# Altium PCB Copy of FPGA_Module.PcbDoc (part 1 of 3) (continued)
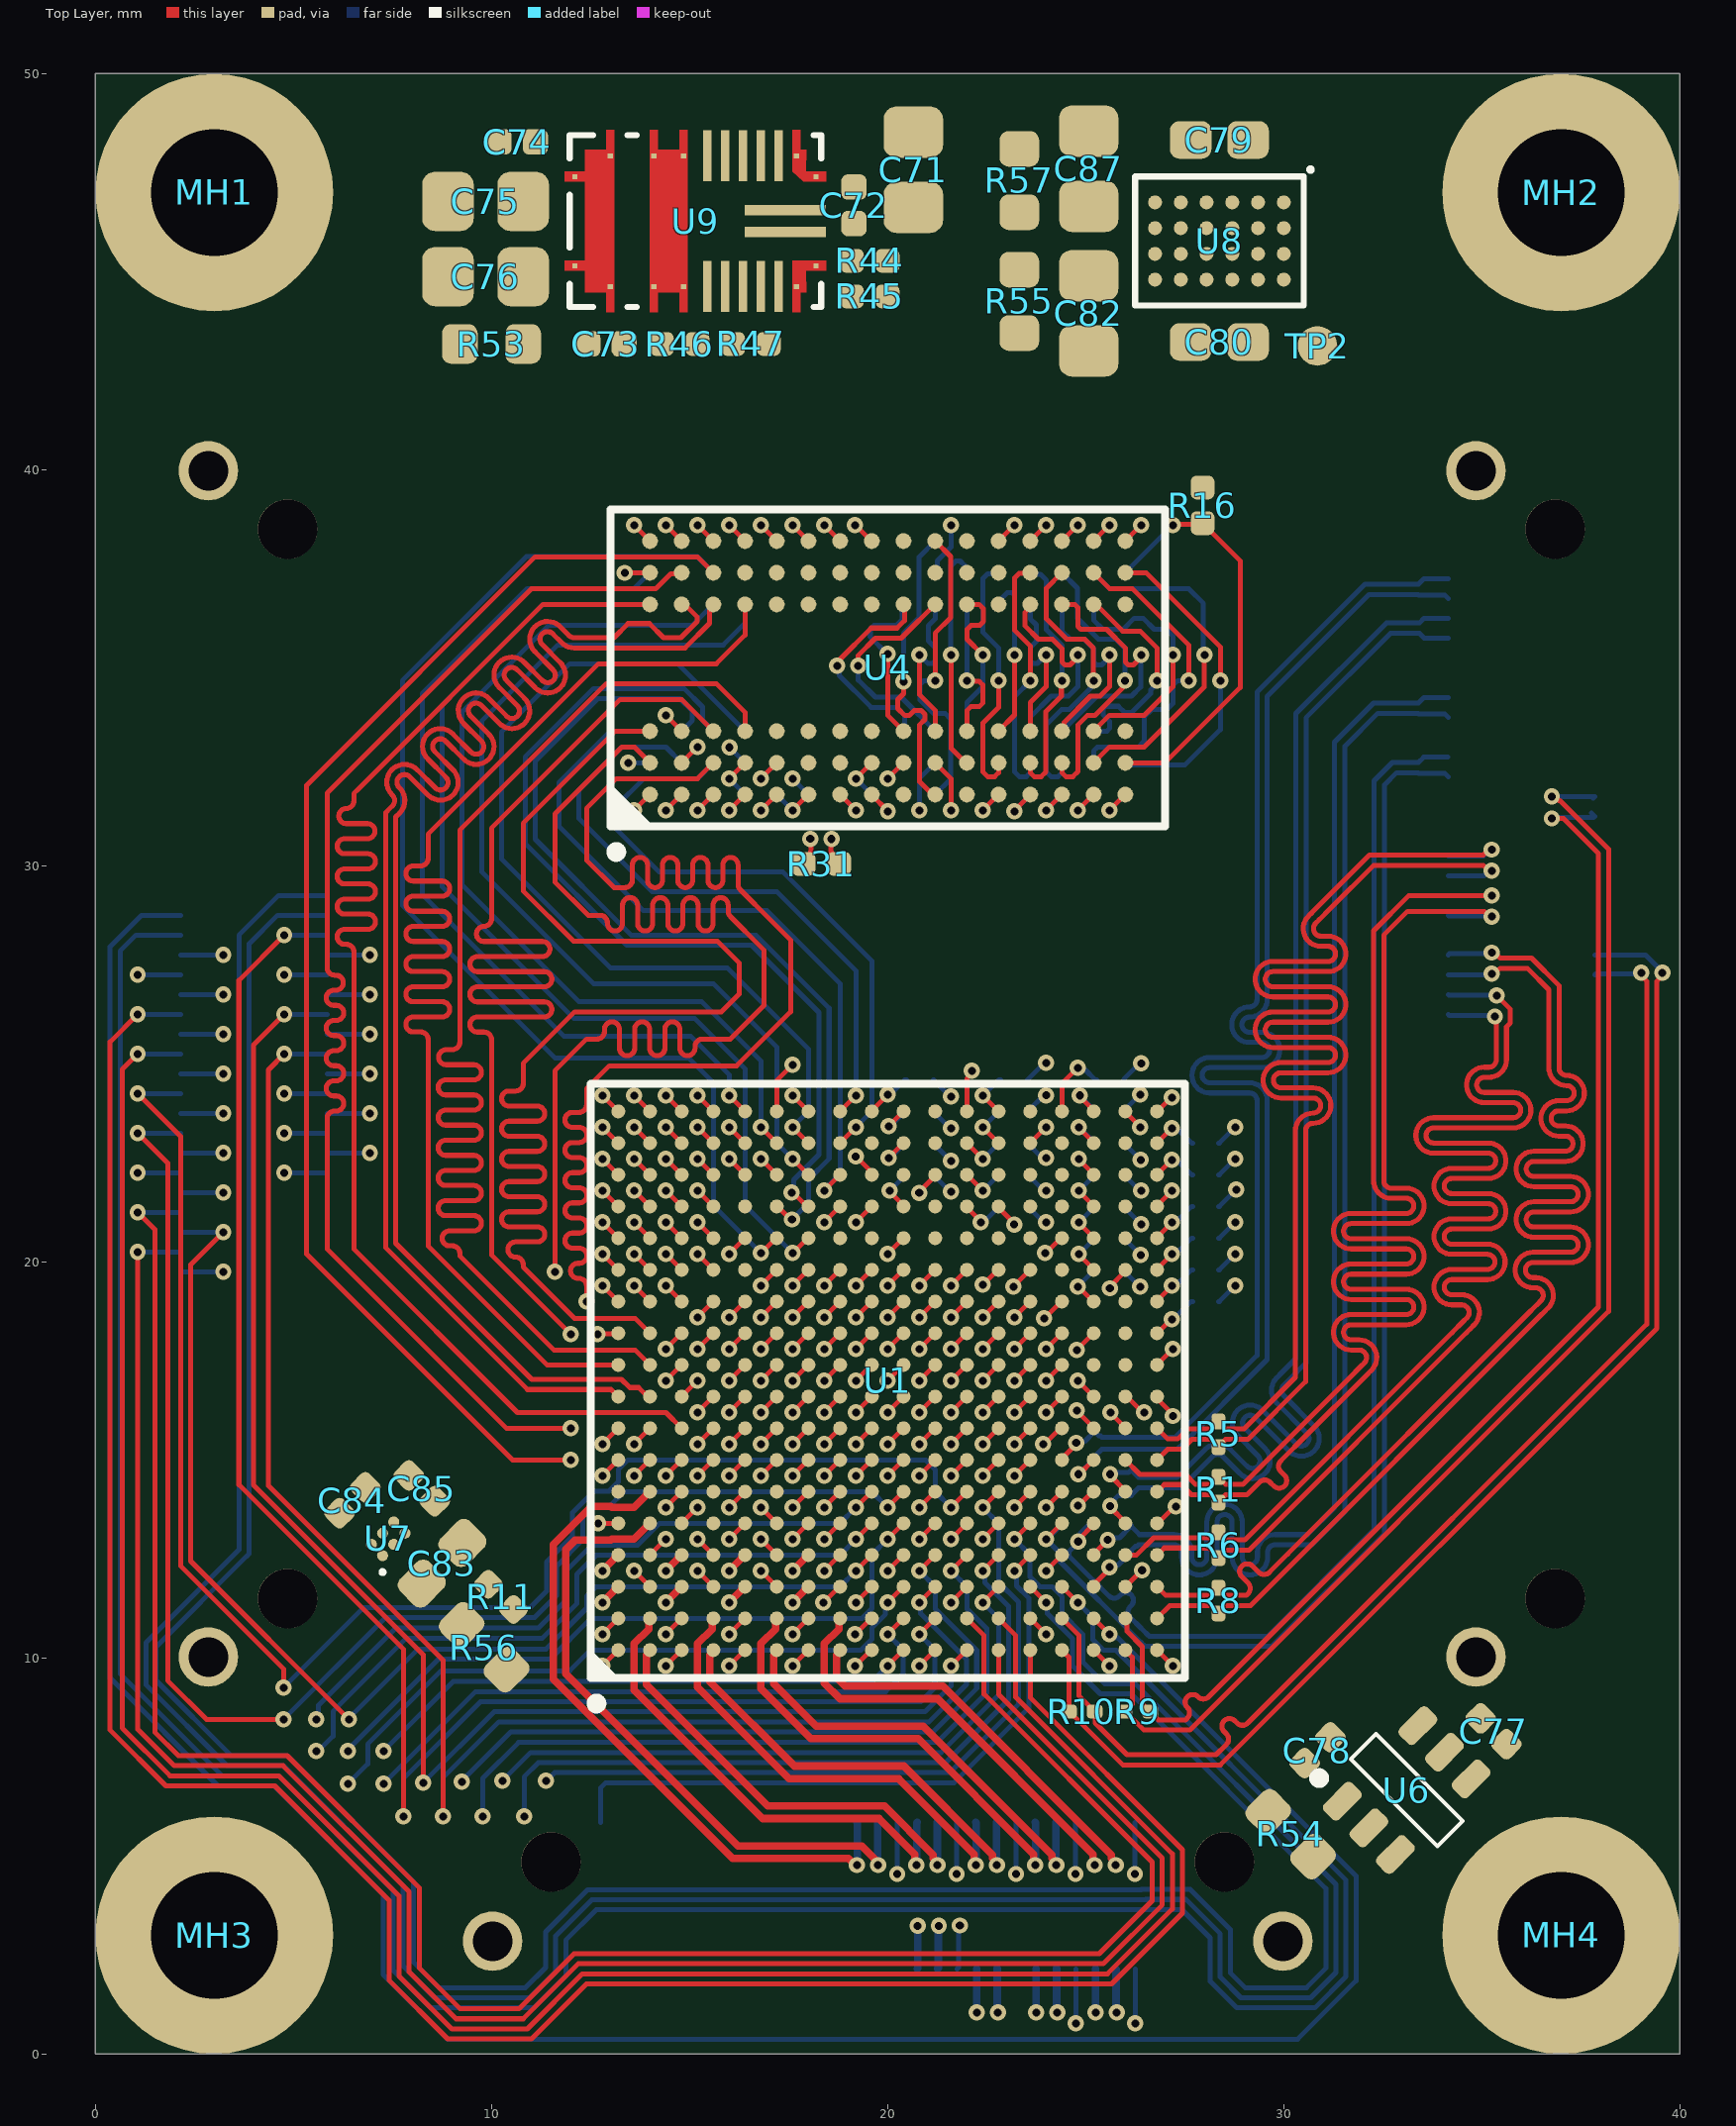
[diagram p0: Top Layer view]
## Components (designator, comment, footprint, x,y, rotation, side; value= is the part's Value field where it differs from the comment) (continued)
U8 "LTM4691IV" AD_LGA24 28.375,45.775 r270 top
U9 "MPM3650CGQW-Z" MPS_MPM3650 15.148,46.275 r270 top

## Footprints (in the part's own frame and the unit in brackets; to place one, negate y for a bottom-side part, rotate by r counter-clockwise, add the part's x,y. Pads: shape width x height; smd on the part's side, far side on the other; paste and mask are expansions set on the pad)
AD_LGA24 [mm]
  round 0.35 smd paste+0 mask+0: A1(-0.975,1.625) A2(-0.325,1.625) A3(0.325,1.625) A4(0.975,1.625) B1(-0.975,0.975) B2(-0.325,0.975) B3(0.325,0.975) B4(0.975,0.975) C1(-0.975,0.325) C2(-0.325,0.325) C3(0.325,0.325) C4(0.975,0.325) D1(-0.975,-0.325) D2(-0.325,-0.325) D3(0.325,-0.325) D4(0.975,-0.325) E1(-0.975,-0.975) E2(-0.325,-0.975) E3(0.325,-0.975) E4(0.975,-0.975) F1(-0.975,-1.625) F2(-0.325,-1.625) F3(0.325,-1.625) F4(0.975,-1.625)
  silkscreen extent -1.81,-2.13 1.63,2.31, body extent -1.51,-2.01 1.51,2.01, height 1.28
CSG325 [mm] "BGA, 324-Balls, Body 15x15mm, Pitch 0.8mm"
  round 0.35 smd: A1(-6.8,6.8) A2(-6,6.8) A3(-5.2,6.8) A4(-4.4,6.8) A5(-3.6,6.8) A6(-2.8,6.8) A7(-2,6.8) A8(-1.2,6.8) A9(-0.4,6.8) A10(0.4,6.8) A11(1.2,6.8) A12(2,6.8) A13(2.8,6.8) A14(3.6,6.8) A15(4.4,6.8) A16(5.2,6.8) A17(6,6.8) A18(6.8,6.8) B1(-6.8,6) B2(-6,6) B3(-5.2,6) B4(-4.4,6) B5(-3.6,6) B6(-2.8,6) B7(-2,6) B8(-1.2,6) B9(-0.4,6) B10(0.4,6) B11(1.2,6) B12(2,6) B13(2.8,6) B14(3.6,6) B15(4.4,6) B16(5.2,6) B17(6,6) B18(6.8,6) C1(-6.8,5.2) C2(-6,5.2) C3(-5.2,5.2) C4(-4.4,5.2) C5(-3.6,5.2) C6(-2.8,5.2) C7(-2,5.2) C8(-1.2,5.2) C9(-0.4,5.2) C10(0.4,5.2) C11(1.2,5.2) C12(2,5.2) C13(2.8,5.2) C14(3.6,5.2) C15(4.4,5.2) C16(5.2,5.2) C17(6,5.2) C18(6.8,5.2) D1(-6.8,4.4) D2(-6,4.4) D3(-5.2,4.4) D4(-4.4,4.4) D5(-3.6,4.4) D6(-2.8,4.4) D7(-2,4.4) D8(-1.2,4.4) D9(-0.4,4.4) D10(0.4,4.4) D11(1.2,4.4) D12(2,4.4) D13(2.8,4.4) D14(3.6,4.4) D15(4.4,4.4) D16(5.2,4.4) D17(6,4.4) D18(6.8,4.4) E1(-6.8,3.6) E2(-6,3.6) E3(-5.2,3.6) E4(-4.4,3.6) E5(-3.6,3.6) E6(-2.8,3.6) E7(-2,3.6) E8(-1.2,3.6) E9(-0.4,3.6) E10(0.4,3.6) E11(1.2,3.6) E12(2,3.6) E13(2.8,3.6) E14(3.6,3.6) E15(4.4,3.6) E16(5.2,3.6) E17(6,3.6) E18(6.8,3.6) F1(-6.8,2.8) F2(-6,2.8) F3(-5.2,2.8) F4(-4.4,2.8) F5(-3.6,2.8) F6(-2.8,2.8) F7(-2,2.8) F8(-1.2,2.8) F9(-0.4,2.8) F10(0.4,2.8) F11(1.2,2.8) F12(2,2.8) F13(2.8,2.8) F14(3.6,2.8) F15(4.4,2.8) F16(5.2,2.8) F17(6,2.8) F18(6.8,2.8) G1(-6.8,2) G2(-6,2) G3(-5.2,2) G4(-4.4,2) G5(-3.6,2) G6(-2.8,2) G7(-2,2) G8(-1.2,2) G9(-0.4,2) G10(0.4,2) G11(1.2,2) G12(2,2) G13(2.8,2) G14(3.6,2) G15(4.4,2) G16(5.2,2) G17(6,2) G18(6.8,2) H1(-6.8,1.2) H2(-6,1.2) H3(-5.2,1.2) H4(-4.4,1.2) H5(-3.6,1.2) H6(-2.8,1.2) H7(-2,1.2) H8(-1.2,1.2) H9(-0.4,1.2) H10(0.4,1.2) H11(1.2,1.2) H12(2,1.2) H13(2.8,1.2) H14(3.6,1.2) H15(4.4,1.2) H16(5.2,1.2) H17(6,1.2) H18(6.8,1.2) J1(-6.8,0.4) J2(-6,0.4) J3(-5.2,0.4) J4(-4.4,0.4) J5(-3.6,0.4) J6(-2.8,0.4) J7(-2,0.4) J8(-1.2,0.4) J9(-0.4,0.4) J10(0.4,0.4) J11(1.2,0.4) J12(2,0.4) J13(2.8,0.4) J14(3.6,0.4) J15(4.4,0.4) J16(5.2,0.4) J17(6,0.4) J18(6.8,0.4) K1(-6.8,-0.4) K2(-6,-0.4) K3(-5.2,-0.4) K4(-4.4,-0.4) K5(-3.6,-0.4) K6(-2.8,-0.4) K7(-2,-0.4) K8(-1.2,-0.4) K9(-0.4,-0.4) K10(0.4,-0.4) K11(1.2,-0.4) K12(2,-0.4) K13(2.8,-0.4) K14(3.6,-0.4) K15(4.4,-0.4) K16(5.2,-0.4) K17(6,-0.4) K18(6.8,-0.4) L1(-6.8,-1.2) L2(-6,-1.2) L3(-5.2,-1.2) L4(-4.4,-1.2) L5(-3.6,-1.2) L6(-2.8,-1.2) L7(-2,-1.2) L8(-1.2,-1.2) L9(-0.4,-1.2) L10(0.4,-1.2) L11(1.2,-1.2) L12(2,-1.2) L13(2.8,-1.2) L14(3.6,-1.2) L15(4.4,-1.2) L16(5.2,-1.2) L17(6,-1.2) L18(6.8,-1.2) M1(-6.8,-2) M2(-6,-2) M3(-5.2,-2) M4(-4.4,-2) M5(-3.6,-2) M6(-2.8,-2) M7(-2,-2) M8(-1.2,-2) M9(-0.4,-2) M10(0.4,-2) M11(1.2,-2) M12(2,-2) M13(2.8,-2) M14(3.6,-2) M15(4.4,-2) M16(5.2,-2) M17(6,-2) M18(6.8,-2) N1(-6.8,-2.8) N2(-6,-2.8) N3(-5.2,-2.8) N4(-4.4,-2.8) N5(-3.6,-2.8) N6(-2.8,-2.8) N7(-2,-2.8) N8(-1.2,-2.8) N9(-0.4,-2.8) N10(0.4,-2.8) N11(1.2,-2.8) N12(2,-2.8) N13(2.8,-2.8) N14(3.6,-2.8) N15(4.4,-2.8) N16(5.2,-2.8) N17(6,-2.8) N18(6.8,-2.8) P1(-6.8,-3.6) P2(-6,-3.6) P3(-5.2,-3.6) P4(-4.4,-3.6) P5(-3.6,-3.6) P6(-2.8,-3.6) P7(-2,-3.6) P8(-1.2,-3.6) P9(-0.4,-3.6) P10(0.4,-3.6) P11(1.2,-3.6) P12(2,-3.6) P13(2.8,-3.6) P14(3.6,-3.6) P15(4.4,-3.6) P16(5.2,-3.6) P17(6,-3.6) P18(6.8,-3.6) R1(-6.8,-4.4) R2(-6,-4.4) R3(-5.2,-4.4) R4(-4.4,-4.4) R5(-3.6,-4.4) R6(-2.8,-4.4) R7(-2,-4.4) R8(-1.2,-4.4) R9(-0.4,-4.4) R10(0.4,-4.4) R11(1.2,-4.4) R12(2,-4.4) R13(2.8,-4.4) R14(3.6,-4.4) R15(4.4,-4.4) R16(5.2,-4.4) R17(6,-4.4) R18(6.8,-4.4) T1(-6.8,-5.2) T2(-6,-5.2) T3(-5.2,-5.2) T4(-4.4,-5.2) T5(-3.6,-5.2) T6(-2.8,-5.2) T7(-2,-5.2) T8(-1.2,-5.2) T9(-0.4,-5.2) T10(0.4,-5.2) T11(1.2,-5.2) T12(2,-5.2) T13(2.8,-5.2) T14(3.6,-5.2) T15(4.4,-5.2) T16(5.2,-5.2) T17(6,-5.2) T18(6.8,-5.2) U1(-6.8,-6) U2(-6,-6) U3(-5.2,-6) U4(-4.4,-6) U5(-3.6,-6) U6(-2.8,-6) U7(-2,-6) U8(-1.2,-6) U9(-0.4,-6) U10(0.4,-6) U11(1.2,-6) U12(2,-6) U13(2.8,-6) U14(3.6,-6) U15(4.4,-6) U16(5.2,-6) U17(6,-6) U18(6.8,-6) V1(-6.8,-6.8) V2(-6,-6.8) V3(-5.2,-6.8) V4(-4.4,-6.8) V5(-3.6,-6.8) V6(-2.8,-6.8) V7(-2,-6.8) V8(-1.2,-6.8) V9(-0.4,-6.8) V10(0.4,-6.8) V11(1.2,-6.8) V12(2,-6.8) V13(2.8,-6.8) V14(3.6,-6.8) V15(4.4,-6.8) V16(5.2,-6.8) V17(6,-6.8) V18(6.8,-6.8)
  silkscreen extent -8.27,-7.5 7.5,7.5, body extent -7.5,-7.5 7.5,7.5, height 1.5
GEN_C_0402 [mm] "Chip Capacitor, 0402, IPC Medium Density"
  rrect50% 0.64x0.64 smd: 1(-0.46,0) 2(0.46,0)
  body extent -0.55,-0.3 0.55,0.3, height 0.6
GEN_C_0603 [mm] "Chip Capacitor, 2-Leads, Body 1.60x0.80mm, IPC Medium Density"
  rrect50% 1.05x0.95 smd: 1(-0.725,0) 2(0.725,0)
  body extent -0.85,-0.45 0.85,0.45, height 0.9
GEN_C_0805 [mm] "Chip Capacitor, 2-Leads, Body 2.00x1.25mm, IPC Medium Density"
  rrect50% 1.3x1.5 smd: 1(-0.95,0) 2(0.95,0)
  body extent -1.1,-0.72 1.1,0.72, height 1.45
GEN_C_1210 [mm] "Chip Capacitor, 2-Leads, Body 3.20x2.50mm, IPC Medium Density"
  rrect25% 1.65x2.8 smd: 1(-1.325,0) 2(1.325,0)
  body extent -1.8,-1.4 1.8,1.4, height 2.8
GEN_R_0201 [mm] "Chip Resistor, 2-Leads, Body 0.60x0.30mm, IPC Medium Density"
  rrect50% 0.4x0.35 smd: 1(-0.325,0) 2(0.325,0)
  body extent -0.32,-0.17 0.32,0.17, height 0.26
GEN_R_0402 [mm] "Chip Resistor, 2-Leads, Body 1.00x0.50mm, IPC Medium Density"
  rrect50% 0.6x0.6 smd: 1(-0.45,0) 2(0.45,0)
  body extent -0.55,-0.3 0.55,0.3, height 0.4
GEN_R_0603 [mm]
  rrect50% 0.9x1 smd: 1(-0.8,0) 2(0.8,0)
  body extent -0.9,-0.5 0.9,0.5, height 0.6
GEN_SOT_323 [mm]
  rrect50% 0.47x0.6 smd: 1(0,0.95) 2(-0.65,-0.95) 3(0.65,-0.95)
  silkscreen extent -1.1,-0.7 1.1,0.7, body extent -1.23,-0.83 1.23,0.83, height 1.1
GEN_TP_PCB [mm]
  round 1 smd: 1(0,0)
"MH M3" [mm]
  round 6 hole 3.2: 1(0,0)
MICT-JT-96 [mm] "BGA, 96-Balls, Body 14x8mm, Pitch 0.8mm"
  round 0.4 smd: A1(-3.2,6) A2(-2.4,6) A3(-1.6,6) A7(1.6,6) A8(2.4,6) A9(3.2,6) B1(-3.2,5.2) B2(-2.4,5.2) B3(-1.6,5.2) B7(1.6,5.2) B8(2.4,5.2) B9(3.2,5.2) C1(-3.2,4.4) C2(-2.4,4.4) C3(-1.6,4.4) C7(1.6,4.4) C8(2.4,4.4) C9(3.2,4.4) D1(-3.2,3.6) D2(-2.4,3.6) D3(-1.6,3.6) D7(1.6,3.6) D8(2.4,3.6) D9(3.2,3.6) E1(-3.2,2.8) E2(-2.4,2.8) E3(-1.6,2.8) E7(1.6,2.8) E8(2.4,2.8) E9(3.2,2.8) F1(-3.2,2) F2(-2.4,2) F3(-1.6,2) F7(1.6,2) F8(2.4,2) F9(3.2,2) G1(-3.2,1.2) G2(-2.4,1.2) G3(-1.6,1.2) G7(1.6,1.2) G8(2.4,1.2) G9(3.2,1.2) H1(-3.2,0.4) H2(-2.4,0.4) H3(-1.6,0.4) H7(1.6,0.4) H8(2.4,0.4) H9(3.2,0.4) J1(-3.2,-0.4) J2(-2.4,-0.4) J3(-1.6,-0.4) J7(1.6,-0.4) J8(2.4,-0.4) J9(3.2,-0.4) K1(-3.2,-1.2) K2(-2.4,-1.2) K3(-1.6,-1.2) K7(1.6,-1.2) K8(2.4,-1.2) K9(3.2,-1.2) L1(-3.2,-2) L2(-2.4,-2) L3(-1.6,-2) L7(1.6,-2) L8(2.4,-2) L9(3.2,-2) M1(-3.2,-2.8) M2(-2.4,-2.8) M3(-1.6,-2.8) M7(1.6,-2.8) M8(2.4,-2.8) M9(3.2,-2.8) N1(-3.2,-3.6) N2(-2.4,-3.6) N3(-1.6,-3.6) N7(1.6,-3.6) N8(2.4,-3.6) N9(3.2,-3.6) P1(-3.2,-4.4) P2(-2.4,-4.4) P3(-1.6,-4.4) P7(1.6,-4.4) P8(2.4,-4.4) P9(3.2,-4.4) R1(-3.2,-5.2) R2(-2.4,-5.2) R3(-1.6,-5.2) R7(1.6,-5.2) R8(2.4,-5.2) R9(3.2,-5.2) T1(-3.2,-6) T2(-2.4,-6) T3(-1.6,-6) T7(1.6,-6) T8(2.4,-6) T9(3.2,-6)
  silkscreen extent -4.77,-7 4,7, body extent -4,-7 4,7, height 0.25
MPS_MPM3650 [mil]
  rect 5x5 smd: 1(-64.96,100.39) 7(-64.96,-11.81) 8(-64.96,-41.34) 9(-64.96,-84.65) 10(-44.29,-119.92) 11(44.29,-119.92) 12(64.96,-84.65) 13(64.96,-41.34) 14(64.96,-11.81) 20(64.96,100.39) 21(44.29,119.92) 24(-44.29,119.92)
  rect 51x8 smd paste+0 mask+0: 2(-64.96,82.68) 3(-64.96,64.96) 4(-64.96,47.24) 5(-64.96,29.53) 6(-64.96,11.81) 15(64.96,11.81) 16(64.96,29.53) 17(64.96,47.24) 18(64.96,64.96) 19(64.96,82.68)
  rect 10x81 smd paste+0 mask+0: 22(10.83,89.41) 23(-10.83,89.41)
  Top Layer region: -90.46,96.39 -90.46,104.39 -70.78,104.39 -70.78,110.22 -49.29,109.92 -49.29,129.92 -39.29,129.92 -39.46,107.31 -49.3,96.39
  Top Layer region: 39.46,96.39 39.29,129.92 49.29,129.92 49.29,109.92 70.78,110.24 70.78,104.33 90.46,104.33 90.46,96.39
  Top Layer region: -90.46,-15.81 -90.46,-7.81 90.46,-7.81 90.46,-15.81 70.78,-15.81 70.78,-37.34 90.46,-37.34 90.46,-45.34 -90.46,-45.34 -90.46,-37.34 -70.78,-37.34 -70.78,-15.81
  Top Layer region: -90.46,-88.65 -90.46,-80.65 90.46,-80.65 90.46,-88.65 70.78,-88.65 70.78,-109.91 49.29,-109.92 49.29,-129.92 39.29,-129.92 39.29,-109.92 -39.29,-109.92 -39.29,-129.92 -49.29,-129.92 -49.29,-109.92 -70.78,-109.91 -70.78,-88.65
  silkscreen extent -85,-125 86,125, body extent -79,-119 79,119, height 63
MX_WSON8 [mm] "SON, 8-Leads, Body 5.00x6.00mm, Pitch 1.27mm, Thermal Pad 4.00x3.40mm, IPC Medium Density"
  rrect50% 1.05x0.45 smd: 1(-2.82,1.905) 2(-2.82,0.635) 3(-2.82,-0.635) 4(-2.82,-1.905) 5(2.82,-1.905) 6(2.82,-0.635) 7(2.82,0.635) 8(2.82,1.905)
  rrect5% 3.4x4 smd paste-1.7: 9(0,0)
  silkscreen extent -3.7,-2.7 3.2,2.9, body extent -3.05,-2.55 3.05,2.55, height 0.8
SAM_LSHM-130-XX.X-XX-DV-A-S [mm]
  rrect50% 0.3x1.5 smd: 1(7.25,-1.85) 2(7.25,1.85) 3(6.75,-1.85) 4(6.75,1.85) 5(6.25,-1.85) 6(6.25,1.85) 7(5.75,-1.85) 8(5.75,1.85) 9(5.25,-1.85) 10(5.25,1.85) 11(4.75,-1.85) 12(4.75,1.85) 13(4.25,-1.85) 14(4.25,1.85) 15(3.75,-1.85) 16(3.75,1.85) 17(3.25,-1.85) 18(3.25,1.85) 19(2.75,-1.85) 20(2.75,1.85) 21(2.25,-1.85) 22(2.25,1.85) 23(1.75,-1.85) 24(1.75,1.85) 25(1.25,-1.85) 26(1.25,1.85) 27(0.75,-1.85) 28(0.75,1.85) 29(0.25,-1.85) 30(0.25,1.85) 31(-0.25,-1.85) 32(-0.25,1.85) 33(-0.75,-1.85) 34(-0.75,1.85) 35(-1.25,-1.85) 36(-1.25,1.85) 37(-1.75,-1.85) 38(-1.75,1.85) 39(-2.25,-1.85) 40(-2.25,1.85) 41(-2.75,-1.85) 42(-2.75,1.85) 43(-3.25,-1.85) 44(-3.25,1.85) 45(-3.75,-1.85) 46(-3.75,1.85) 47(-4.25,-1.85) 48(-4.25,1.85) 49(-4.75,-1.85) 50(-4.75,1.85) 51(-5.25,-1.85) 52(-5.25,1.85) 53(-5.75,-1.85) 54(-5.75,1.85) 55(-6.25,-1.85) 56(-6.25,1.85) 57(-6.75,-1.85) 58(-6.75,1.85) 59(-7.25,-1.85) 60(-7.25,1.85)
  round 1.5 hole 1: 61(9.975,1.15) 62(-9.975,1.15)
  round 1.5 hole 1.5 unplated: ""(-8.5,-0.85) ""(8.5,-0.85)
  silkscreen extent -11.13,-3 11.13,3, body extent -10.4,-2.49 10.4,2.64, height 5.6
SAM_LSHM-150-XX.X-XX-DV-A-S [mm]
  rrect50% 0.3x1.5 smd: 1(12.25,-1.85) 2(12.25,1.85) 3(11.75,-1.85) 4(11.75,1.85) 5(11.25,-1.85) 6(11.25,1.85) 7(10.75,-1.85) 8(10.75,1.85) 9(10.25,-1.85) 10(10.25,1.85) 11(9.75,-1.85) 12(9.75,1.85) 13(9.25,-1.85) 14(9.25,1.85) 15(8.75,-1.85) 16(8.75,1.85) 17(8.25,-1.85) 18(8.25,1.85) 19(7.75,-1.85) 20(7.75,1.85) 21(7.25,-1.85) 22(7.25,1.85) 23(6.75,-1.85) 24(6.75,1.85) 25(6.25,-1.85) 26(6.25,1.85) 27(5.75,-1.85) 28(5.75,1.85) 29(5.25,-1.85) 30(5.25,1.85) 31(4.75,-1.85) 32(4.75,1.85) 33(4.25,-1.85) 34(4.25,1.85) 35(3.75,-1.85) 36(3.75,1.85) 37(3.25,-1.85) 38(3.25,1.85) 39(2.75,-1.85) 40(2.75,1.85) 41(2.25,-1.85) 42(2.25,1.85) 43(1.75,-1.85) 44(1.75,1.85) 45(1.25,-1.85) 46(1.25,1.85) 47(0.75,-1.85) 48(0.75,1.85) 49(0.25,-1.85) 50(0.25,1.85) 51(-0.25,-1.85) 52(-0.25,1.85) 53(-0.75,-1.85) 54(-0.75,1.85) 55(-1.25,-1.85) 56(-1.25,1.85) 57(-1.75,-1.85) 58(-1.75,1.85) 59(-2.25,-1.85) 60(-2.25,1.85) 61(-2.75,-1.85) 62(-2.75,1.85) 63(-3.25,-1.85) 64(-3.25,1.85) 65(-3.75,-1.85) 66(-3.75,1.85) 67(-4.25,-1.85) 68(-4.25,1.85) 69(-4.75,-1.85) 70(-4.75,1.85) 71(-5.25,-1.85) 72(-5.25,1.85) 73(-5.75,-1.85) 74(-5.75,1.85) 75(-6.25,-1.85) 76(-6.25,1.85) 77(-6.75,-1.85) 78(-6.75,1.85) 79(-7.25,-1.85) 80(-7.25,1.85) 81(-7.75,-1.85) 82(-7.75,1.85) 83(-8.25,-1.85) 84(-8.25,1.85) 85(-8.75,-1.85) 86(-8.75,1.85) 87(-9.25,-1.85) 88(-9.25,1.85) 89(-9.75,-1.85) 90(-9.75,1.85) 91(-10.25,-1.85) 92(-10.25,1.85) 93(-10.75,-1.85) 94(-10.75,1.85) 95(-11.25,-1.85) 96(-11.25,1.85) 97(-11.75,-1.85) 98(-11.75,1.85) 99(-12.25,-1.85) 100(-12.25,1.85)
  round 1.5 hole 1: 101(14.975,1.15) 102(-14.975,1.15)
  round 1.5 hole 1.5 unplated: ""(-13.5,-0.85) ""(13.5,-0.85)
  silkscreen extent -16.12,-3 16.12,3, body extent -15.4,-2.49 15.4,2.64, height 5.6
ST_FlipChip6 [mil] "BGA, 6-Leads, Body 0.78x1.18mmx0.36mm, Pitch 0.40mm"
  round 11 smd paste+0 mask+0: A1(-7.88,15.75) A2(7.87,15.75) B1(-7.88,0) B2(7.87,0) C1(-7.88,-15.75) C2(7.87,-15.75)
  silkscreen extent -21,25 -18,29, body extent -16,-24 16,24, height 14
TI_UQFN_RUT0012A [mm]
  rrect50% 0.7x0.2 smd paste+0 mask+0.051: 1(-0.7,0.8) 2(-0.7,0.4) 3(-0.7,0) 4(-0.7,-0.4) 5(-0.7,-0.8) 7(0.7,-0.8) 8(0.7,-0.4) 9(0.7,0) 10(0.7,0.4) 11(0.7,0.8)
  rrect50% 0.2x0.7 smd paste+0 mask+0.051: 6(0,-0.85) 12(0,0.85)
  silkscreen extent -1.08,-1.2 0.9,1.23, body extent -0.9,-1.05 0.9,1.05, height 0.55
VISH_TSOT6 [mm] "SOT23, 6-Leads, Body 2.98x2.84mm, Pitch 0.95mm, IPC Medium Density"
  rrect50% 1x0.55 smd: 1(-1.35,0.95) 2(-1.35,0) 3(-1.35,-0.95) 4(1.35,-0.95) 5(1.35,0) 6(1.35,0.95)
  silkscreen extent -1.47,-1.55 0.45,1.9, body extent -1.49,-1.55 1.49,1.55, height 1.1

## Part data
C1 C2 C3 C66 C67 C68 C69 C72 C74 C78 C84: library part "CAP 100nF 16V X7R 0402", Package=0402, Supplier Part Number 1=490-4759-1-ND, Voltage Rating=16V, Supplier 1=Digi-Key
C4 C5 C16 C17: library part "CAP 10nF 50V X7R 0402", Package=0402, Supplier Part Number 1=490-6351-1-ND, Voltage Rating=50V, Supplier 1=Digi-Key
C6 C11 C18 C23 C28 C30 C31 C40 C41 C43 C44 C55 C56 C59 C60 C65 C70 C77 C85: library part "CAP 4.7uF 6.3V X5R 0402", Package=0402, Supplier Part Number 1=490-5915-1-ND, Voltage Rating=6.3V, Supplier 1=Digi-Key
C7 C8 C9 C10 C12 C13 C14 C15 C19 C20 C21 C22 C24 C25 C26 C27 C32 C33 C34 C35 C36 C37 C38 C39 C45 C46 C47 C48 C51 C52 C53 C54 C61 C62 C63 C64: library part "CAP 470nF 6.3V X6S 0402", Package=0402, Supplier Part Number 1=490-6284-1-ND, Voltage Rating=6.3V, Supplier 1=Digi-Key
C29 C42 C49 C50 C58 C71 C75 C76 C82 C87: library part "CAP 47uF 6.3V X5R 0805", Package=0805, Supplier Part Number 1=1276-1852-1-ND, Voltage Rating=6.3V, Supplier 1=Digi-Key
C57: library part "CAP 100uF 6.3V X5R 1210", Package=1210, Supplier Part Number 1=1276-1092-1-ND, Voltage Rating=6.3V, Supplier 1=Digi-Key
C73: library part "CAP 39pF 50V C0G 0402", Package=0402, Supplier Part Number 1=399-C0402C390J5GAC7867CT-ND, Temperature Coefficient=C0G, Voltage Rating=50V, Supplier 1=Digi-Key
C79 C80 C83: library part "CAP 10uF 10V X5R 0603", Package=0402, Supplier Part Number 1=490-10474-1-ND, Voltage Rating=10V, Supplier 1=Digi-Key
C81 C86: library part "CAP 1.2pF 50V C0G 0402", Package=0402, Supplier Part Number 1=311-1615-1-ND, Temperature Coefficient=C0G, Voltage Rating=50V, Supplier 1=Digi-Key
FB1 FB2 FB3: library part "FERRITE BEAD 120 OHM 0402", Supplier Part Number 1=490-9656-1-ND, Supplier 1=Digi-Key
JM1 JM2: library part "CONN LSHM-150-04.0-L-DV-A-S-K-TR", Supplier Part Number 1=SAM9033CT-ND, Supplier 1=Digi-Key
JM3: library part "CONN LSHM-130-04.0-L-DV-A-S-K-TR", Supplier Part Number 1=SAM9034CT-ND, Supplier 1=Digi-Key
MH1 MH2 MH3 MH4: library part "MH M3"
Q1: library part "NMOS DMN62D0UW", Max Power=320mW, Supplier Part Number 1=DMN62D0UW-7DICT-ND, Id=340mA, Supplier 1=Digi-Key, Vdss=60V
R1 R2 R3 R4 R5 R6 R7 R8 R9 R10: library part "RES 100 OHM 1% 1/20W 0201", Package=0201, Power Rating=0.05W, Supplier Part Number 1=311-100MCT-ND, Tolerance=1%, Supplier 1=Digi-Key
R11: library part "RES 100 OHM 1% 1/10W 0402", Package=0402, Power Rating=0.1W, Supplier Part Number 1=2019-RK73H1ETTP1000FCT-ND, Tolerance=1%, Supplier 1=Digi-Key
R12 R13 R14 R15 R16: library part "RES 4.7K OHM 1% 1/10W 0402", Package=0402, Power Rating=0.1W, Supplier Part Number 1=P4.70KLCT-ND, Tolerance=1%, Supplier 1=Digi-Key
R17 R18: library part "RES 240 OHM 1% 1/16W 0402", Package=0402, Power Rating=0.0625W, Supplier Part Number 1=311-240LRTR-ND, Tolerance=1%, Supplier 1=Digi-Key
R19 R20 R21 R22 R23 R24 R25 R26 R28 R29 R30 R32 R33 R34 R36 R37 R38 R39 R40 R41 R42 R43: library part "RES 33 OHM 1% 1/16W 0402", Package=0402, Power Rating=0.0625W, Tolerance=1%
R27 R35: library part "RES 1K OHM 1% 1/10W 0402", Package=0402, Power Rating=0.1W, Supplier Part Number 1=311-1.00KLRCT-ND, Tolerance=1%, Supplier 1=Digi-Key
R31: library part "RES 82 OHM 1% 1/16W 0402", Package=0402, Power Rating=0.0625W, Supplier Part Number 1=311-82LRCT-ND, Tolerance=1%, Supplier 1=Digi-Key
R44 R45 R48 R50 R52: library part "RES 100K OHM 1% 1/10W 0402", Package=0402, Power Rating=0.1W, Supplier Part Number 1=311-100KLRCT-ND, Tolerance=1%, Supplier 1=Digi-Key
R46: library part "RES 20K OHM 1% 1/16W 0402", Package=0402, Power Rating=0.0625W, Supplier Part Number 1=311-20.0KLRCT-ND, Tolerance=1%, Supplier 1=Digi-Key
R47: library part "RES 30K OHM 1% 1/16W 0402", Package=0402, Power Rating=0.0625W, Supplier Part Number 1=311-30.0KLRCT-ND, Tolerance=1%, Supplier 1=Digi-Key
R49: library part "RES 169K OHM 1% 1/16W 0402", Package=0402, Power Rating=0.0625W, Supplier Part Number 1=YAG3000CT-ND, Tolerance=1%, Supplier 1=Digi-Key
R51: library part "RES 261K OHM 1% 1/16W 0402", Package=0402, Power Rating=0.0625W, Supplier Part Number 1=311-261KLRCT-ND, Tolerance=1%, Supplier 1=Digi-Key
R53 R54 R55 R56 R57: library part "RES 0.01 OHM 1% 1/4W 0603", Package=0603, Power Rating=0.25W, Supplier Part Number 1=408-1404-1-ND, Tolerance=1%, Supplier 1=Digi-Key
TP1 TP2: library part "TP PCB 1mm"
U1: "Artix-7 FPGA, 150 User I/Os, 4 GTP, 324-Ball BGA, Speed Grade 2, Commercial Grade, Pb-Free", Manufacturer=Xilinx, Operating Temperature Range=Commercial, Available User I/O=150, Clock Mgmt Tiles (CMTs)=5, ComponentLink1Description="Manufacturer URL", ComponentLink1URL=http://www.xilinx.com/, ComponentLink2Description=Datasheet, ComponentLink2URL=http://www.xilinx.com/support/documentation/data_sheets/ds180_7Series_Overview.pdf, ComponentLink3Description="Package Specification", ComponentLink3URL=http://www.xilinx.com/support/documentation/user_guides/ug475_7Series_Pkg_Pinout.pdf, ComponentLink4Description="DC and Switching Characteristics", ComponentLink4URL=http://www.xilinx.com/support/documentation/data_sheets/ds181_Artix_7_Data_Sheet.pdf, ComponentLink5Description="Package File", ComponentLink5URL=http://www.xilinx.com/support/packagefiles/a7packages/xc7a200tsbg484pkg.txt, ComponentLink6Description="Packaging and Pinout", ComponentLink6URL=http://www.xilinx.com/support/documentation/user_guides/ug475_7Series_Pkg_Pinout.pdf, DatasheetVersion=v1.15, GTP=4, Logic Cells=33280, Maximum Distributed RAM="400 Kb", Mounting Technology="Surface Mount", NexusDeviceID=XC7A35T-2CSG325C, PackageDescription="324-Ball Wire-Bond Chip-Scale BGA, Body 15 x 15 mm, Pitch 0.8 mm", PackageReference=CSG-325, PackageVersion="Rev. 1.11", PartNumber=XC7A35T-2CSG325C, Speed Grades=2, Total Block RAM="1800 Kb"
U2: library part "IC FLASH MX25U6432FZNI02", Supplier Part Number 1=1092-MX25U6432FZNI02-ND, Supplier 1=Digi-Key
U3: library part "IC TRNSLTR TXB0104RUTR", Supplier Part Number 1=296-25888-1-ND, Supplier 1=Digi-Key
U4 U5: "1Gb DDR3-1333 SDRAM, 64Mb x 16, 1.5ns, 1.35V, 0 to 95 degC, 96-Ball FBGA, Pb-Free", Manufacturer=Micron, Op. Temp.="0C to +95C", Package=FBGA, Voltage=1.35V, CL="CL = 9", Clock Rate="667 MHz", ComponentLink1Description="Manufacturer URL", ComponentLink1URL=http://www.micron.com/, ComponentLink2Description=Datasheet, ComponentLink2URL=http://www.micron.com/~/media/Documents/Products/Data%20Sheet/DRAM/2Gb_DDR3_SDRAM.pdf, ComponentLink3Description="Package Specification", ComponentLink3URL=http://www.micron.com/~/media/Documents/Products/Data%20Sheet/DRAM/2Gb_DDR3_SDRAM.pdf, Cycle Time=1.5ns, Data Rate=DDR3-1333, DatasheetVersion=Rev.F, Density=1Gb, Depth=64Mb, Mounting Technology="Surface Mount", PackageDescription="96-Ball Fine-Pitch Ball Grid Array, 14 x 8 mm, Pitch 0.8 mm", PackageReference=MICT-JT-96, PackageVersion=Rev.G, PartNumber=MT41K64M16JT-15E, Pin Count=96-ball, RoHS=Yes, Width=x16
U6: library part "IC SWITCH LOAD SIP32508", Supplier Part Number 1=SIP32508DT-T1-GE3CT-ND, Supplier 1=Digi-Key
U7: library part "IC LDO LD57100J120R", Supplier Part Number 1=497-LD57100J120RCT-ND, Supplier 1=Digi-Key
U8: library part "IC BUCK LTM4691IV", Supplier Part Number 1=505-LTM4691IV#PBF-ND, Supplier 1=Digi-Key
U9: library part "IC BUCK MPM3650CGQW-Z", Supplier Part Number 1=1589-MPM3650CGQW-ZCT-ND, Supplier 1=Digi-Key

## Via types
v1: diameter 0.406, hole 0.203, Top Layer to Bottom Layer, tented both sides, 436 vias

## Nets (pads, with @x,y where several pads share a name; then routed paths per layer and width w, separated by ;. In a path a pad name is that pad's centre, name@x,y a point inside that pad or via, vN(x,y) a via of type N, cw(c..) or ccw(c..) an arc to the next point about the centre after c; other vN are vias at no path point)
1V0: C50.2 C51.2 C52.2 C53.2 C54.2 C55.2 C56.2 C57.2 FB3.1 R53.2 U1.F7 U1.F9 U1.F11 U1.G8 U1.G10 U1.H7 U1.H9 U1.H11 U1.J8 U1.J12 U1.K7 U1.K11 U1.L8 U1.L12 U1.M7 U1.M11 U1.N8 U1.N10 U1.N12 U1.P9 U1.P11 | length 10.8
  Top Layer w0.127: v1(16.8,14.6) U1.F7@17.162,14.962 ; v1(16.8,16.2) U1.F9@17.162,16.562 ; v1(16.8,17.8) U1.F11@17.162,18.162 ; v1(17.6,15.4) U1.G8@17.962,15.762 ; v1(17.6,17) U1.G10@17.962,17.362 ; v1(18.4,14.6) U1.H7@18.762,14.962 ; v1(18.4,16.2) U1.H9@18.762,16.562 ; v1(18.4,17.8) U1.H11@18.762,18.162 ; v1(19.2,15.4) U1.J8@19.562,15.762 ; v1(19.2,18.6) U1.J12@19.562,18.962 ; v1(20,14.6) U1.K7@20.362,14.962 ; v1(20,17.8) U1.K11@20.362,18.162 ; v1(20.8,15.4) U1.L8@21.162,15.762 ; v1(20.8,18.6) U1.L12@21.162,18.962 ; v1(21.6,14.6) U1.M7@21.962,14.962 ; v1(21.6,17.8) U1.M11@21.962,18.162 ; v1(22.4,15.4) U1.N8@22.762,15.762 ; v1(22.4,17) U1.N10@22.762,17.362 ; v1(22.4,18.6) U1.N12@22.762,18.962 ; v1(23.2,16.2) U1.P9@23.562,16.562 ; v1(23.2,17.8) U1.P11@23.562,18.162
1V0_MGT: C68.2 C69.2 C70.2 FB3.2 U1.B4 U1.C5 U1.E5 U1.F5 | length 2.3
  Top Layer w0.127: U1.B4@14,12.6 v1(14.4,13) ; U1.C5@14.8,13.4 v1(15.2,13.8) ; v1(16,13) U1.E5@16.4,13.4 ; v1(16.8,13.8) U1.F5@17.2,13.4
1V2_MGT: C65.2 C66.2 C67.2 R11.1 R56.2 U1.A2 U1.C1 U1.E1 U1.F3 U1.G2 | length 2.8
  Top Layer w0.127: v1(12.8,10.6) U1.A2@13.2,11 ; v1(14.4,9.8) U1.C1@14.8,10.2 ; v1(16,9.8) U1.E1@16.4,10.2 ; v1(16.8,12.2) U1.F3@17.2,11.8 ; v1(17.6,10.6) U1.G2@18,11
1V8: C2.1 C3.1 C49.2 C58.2 C59.2 C60.2 C61.2 C62.2 C63.2 FB1.2 JM2.91 R13.2 R14.2 R15.2 R57.2 U1.E10 U1.E11 U1.G12 U1.H13 U1.K13 U1.M13 U1.P13 U1.R10 U1.R12 U2.8 U3.11 | length 4.8
  Top Layer w0.127: v1(16,17) U1.E10@16.362,17.362 ; v1(16,17.8) U1.E11@16.362,18.162 ; v1(17.6,18.6) U1.G12@17.962,18.962 ; v1(18.4,19.4) U1.H13@18.762,19.762 ; v1(20,19.4) U1.K13@20.362,19.762 ; v1(21.6,19.4) U1.M13@21.962,19.762 ; v1(23.175,19.375) U1.P13@23.6,19.8 ; v1(23.95,18.575) 23.962,18.575 24.35,18.962 U1.R12@24.438,18.962 ; v1(24,17) U1.R10@24.362,17.362
1V35: C1.1 C5.2 C6.2 C7.2 C8.2 C9.2 C10.2 C11.2 C12.2 C13.2 C14.2 C15.2 C17.2 C18.2 C19.2 C20.2 C21.2 C22.2 C23.2 C24.2 C25.2 C26.2 C27.2 C36.2 C37.2 C38.2 C39.2 C40.2 C41.2 C42.2 C43.2 C44.2 C45.2 C46.2 C47.2 C48.2 C84.2 Q1.2 R12.2 R27.2 R55.2 U1.A16 U1.B13 U1.C10 U1.D17 U1.E14 U1.G18 U1.H15 U1.L16 U1.P17 U1.R14 U1.T11 U1.U8 U1.U18 U1.V15 U3.1 U3.12 U4.A1 U4.A8 U4.B2 U4.C1 U4.C9 U4.D2 U4.D9 U4.E9 U4.F1 U4.G7 U4.H2 U4.H9 U4.K2 U4.K8 U4.N1 U4.N9 U4.R1 U4.R9 U5.A1 U5.A8 U5.B2 U5.C1 U5.C9 U5.D2 U5.D9 U5.E9 U5.F1 U5.G7 U5.H2 U5.H9 U5.K2 U5.K8 U5.N1 U5.N9 U5.R1 U5.R9 U7.A2 | length 24.2
  Top Layer w0.127: v1(12.8,22.6) U1.A16@13.162,22.238 ; v1(13.364,37.394) 13.367,37.397 13.997,37.397 U4.A8@14,37.4 ; v1(13.6,20.2) U1.B13@13.962,19.838 ; v1(13.6,31.4) U4.A1@14,31.8 ; v1(14.4,17) U1.C10@14.762,17.362 ; U4.B2@14.8,32.6 v1(15.2,33) ; v1(15.2,23.4) U1.D17@15.562,23.038 ; v1(15.2,31.4) U4.C1@15.6,31.8 ; v1(15.2,38.6) U4.C9@15.6,38.2 ; v1(16,20.2) U1.E14@16.362,20.562 ; v1(16,32.2) U4.D2@16.4,32.6 ; v1(16,38.6) U4.D9@16.4,38.2 ; v1(16.8,38.6) U4.E9@17.2,38.2 ; v1(17.6,24.2) U1.G18@17.962,23.838 ; v1(17.6,31.4) U4.F1@18,31.8 ; v1(18.4,21) U1.H15@18.762,21.362 ; v1(19.175,38.6) 19.188,38.6 19.587,38.2 U4.H9@19.6,38.2 ; v1(19.2,32.2) U4.H2@19.6,32.6 ; v1(20.798,21.742) 20.798,21.77 21.2,22.172 U1.L16@21.2,22.2 ; U4.K2@21.2,32.6 21.6,32.2 v1(21.6,31.4) ; v1(23.2,31.375) 23.2,31.387 23.6,31.788 U4.N1@23.6,31.8 ; U1.P17@23.6,23 v1(24,23.4) ; U4.N9@23.6,38.2 v1(24,38.6) ; v1(23.975,20.225) 24,20.225 24.375,20.6 U1.R14@24.4,20.6 ; v1(24.775,17.775) U1.T11@25.162,18.162 ; v1(24.8,31.4) U4.R1@25.2,31.8 ; U4.R9@25.2,38.2 v1(25.6,38.6) ; v1(25.625,16.2) 25.625,16.188 26,15.813 U1.U8@26,15.8 ; U1.U18@26,23.8 26,23.788 26.375,23.413 v1(26.375,23.4) ; U1.V15@26.8,21.4 26.8,21.413 27.175,21.788 v1(27.175,21.8)
  Bottom Layer w0.127: v1@13.45,32.6 U5.A8@14,32.6 ; v1(15.2,31.4) U5.C9@15.6,31.8 ; v1(16,32.2) U5.D9@16.4,31.8 ; U5.E9@17.2,31.8 v1(17.6,31.4) ; v1(19.2,32.2) U5.H9@19.6,31.8 ; v1(20.8,31.4) 20.8,32.2 U5.K8@21.2,32.6 ; U5.K2@21.2,37.4 21.252,37.452 21.252,37.7 21.6,38.048 v1(21.6,38.6) ; v1(23.2,31.375) 23.2,31.387 23.6,31.788 U5.N9@23.6,31.8 ; v1(24.8,31.4) U5.R9@25.2,31.8
  other v1: 13.45,32.6
+3V3: C29.2 C30.2 C31.2 C32.2 C33.2 C34.2 C35.2 R54.2 U1.L6 U1.M3 U1.P7 U1.R4 U1.T1 U1.V5 | length 3.2
  Top Layer w0.127: v1(20.8,13.8) U1.L6@21.162,14.162 ; v1(21.6,11.4) U1.M3@21.962,11.762 ; v1(23.2,14.6) U1.P7@23.562,14.962 ; v1(24,12.2) U1.R4@24.362,12.562 ; U1.T1@25.238,10.162 v1(25.6,9.8) ; U1.V5@26.838,13.438 26.863,13.438 27.25,13.825 v1(27.275,13.825)
+3V3_IN: C71.2 C72.2 C77.2 C79.2 C80.2 C85.2 JM1.1 JM1.3 JM1.5 JM1.13 JM1.15 JM2.1 JM2.2 JM2.3 JM2.4 JM2.6 JM2.7 JM2.8 JM2.9 R44.1 R45.2 R48.2 U6.5 U6.6 U7.C2 U8.C1 U8.C4 U9.22
ACQ_EN: JM2.51 U1.L3 | length 40.6
  Top Layer w0.127: v1(4.77,25.25) 4.366,24.847 4.366,14.352 8.775,9.943 v1(8.775,6) ; v1(20.8,11.4) U1.L3@21.162,11.762
  Bottom Layer w0.127: v1(4.77,25.25) JM2.51@5.85,25.25 ; v1(8.775,6) 8.775,6.975 10.187,8.387 21.046,8.387 21.994,9.334 21.994,9.963 20.83,11.127 20.83,11.37 v1(20.8,11.4)
ADC_CSn: JM2.65 U1.P3 | length 72.3
  Top Layer w0.127: U1.P3@23.638,11.762 v1(24,11.4)
  Bottom Layer w0.127: JM2.65@5.85,28.75 4.6,28.75 3.879,28.029 3.879,12.629 3.825,12.575 1.529,10.279 1.529,9.43 3.422,7.537 4.847,7.537 8.025,4.359 8.025,2.325 8.675,1.675 10.857,1.675 11.367,2.185 11.367,3.085 12.43,4.149 26.404,4.149 26.41,4.155 27.638,4.155 28.65,3.143 28.65,2.05 29.025,1.675 30.572,1.675 31.063,2.166 31.063,4.178 26.145,9.096 25.37,9.096 24.671,9.795 24.671,10.486 24.03,11.127 24.03,11.37 v1(24,11.4)
ADC_PD: JM2.61 U1.N3 | length 41.2
  Top Layer w0.127: v1(22.4,11.4) U1.N3@22.762,11.762
  Int2 (Sign) w0.127: v1(6.93,27.75) 5.2,26.02 5.2,13.568 10.275,8.493 v1(10.275,6.9)
  Bottom Layer w0.127: JM2.61@5.85,27.75 v1(6.93,27.75) ; v1(10.275,6.9) 10.988,7.613 21.35,7.613 22.8,9.063 22.8,11 v1(22.4,11.4)
ADC_PG: JM2.67 U1.P5 | length 76
  Top Layer w0.127: v1(23.2,13) U1.P5@23.562,13.362
  Bottom Layer w0.127: JM2.67@5.85,29.25 4.625,29.25 3.625,28.25 3.625,12.734 1.275,10.384 1.275,9.325 3.317,7.283 4.742,7.283 7.771,4.254 7.771,2.22 8.57,1.421 10.962,1.421 11.621,2.08 11.621,2.98 12.536,3.895 26.509,3.895 26.516,3.901 27.533,3.901 28.396,3.038 28.396,1.945 28.92,1.421 30.678,1.421 31.317,2.06 31.317,4.283 26.25,9.35 25.475,9.35 24.925,9.9 24.925,10.6 24.406,11.119 24.406,11.55 24.157,11.8 23.843,11.8 23.594,12.05 23.594,12.606 v1(23.2,13)
ADC_RSTn: JM2.63 U1.L2 | length 42.9
  Top Layer w0.127: v1(4.77,28.25) 3.624,27.104 3.624,14.376 7.775,10.225 v1(7.775,6) ; v1(20.8,10.6) U1.L2@21.162,10.962
  Bottom Layer w0.127: v1(4.77,28.25) JM2.63@5.85,28.25 ; v1(7.775,6) 7.775,6.95 9.72,8.895 20.836,8.895 21.194,9.253 21.194,10.206 v1(20.8,10.6)
ADC_SCLK: JM2.41 U1.M5 | length 28.2
  Top Layer w0.127: v1(21.6,13) U1.M5@21.962,13.362
  Int2 (Sign) w0.127: v1(6.93,22.75) 6.254,22.074 6.254,13.955 8.955,11.254 10.595,11.254 12.189,12.848 13.448,12.848 13.994,13.394 21.206,13.394 v1(21.6,13)
  Bottom Layer w0.127: JM2.41@5.85,22.75 v1(6.93,22.75)
ADC_SDATA: JM2.43 U1.M4 | length 39.6
  Top Layer w0.127: v1(21.6,12.2) U1.M4@21.962,12.562
  Int2 (Sign) w0.127: v1(4.77,23.25) 3.95,22.43 3.95,14.459 9.775,8.634 v1(9.775,6)
  Bottom Layer w0.127: v1(4.77,23.25) JM2.43@5.85,23.25 ; v1(9.775,6) 9.775,6.957 10.685,7.867 21.245,7.867 22.502,9.124 22.502,10.742 22.006,11.237 22.006,11.794 v1(21.6,12.2)
AGND: C64.1 FB2.1 U1.J9 U1.K9 U1.K10 U1.L9 U1.L10 | length 2.6
  Top Layer w0.127: v1(19.2,16.2) U1.J9@19.562,16.562 ; v1(20,16.2) U1.K9@20.362,16.562 ; v1(20,17) U1.K10@20.362,17.362 ; v1(20.8,16.2) U1.L9@21.162,16.562 ; v1(20.8,17) U1.L10@21.162,17.362
ATTEN_1: JM2.38 U1.J6 | length 35.2
  Top Layer w0.127: v1(19.2,13.8) U1.J6@19.562,14.162
  Int2 (Sign) w0.127: v1(3.23,21.75) 2.754,21.274 2.754,13.479 1.654,12.379 1.654,9.596 2.394,8.856 5.169,8.856 v1(5.575,8.45)
  Bottom Layer w0.127: JM2.38@2.15,21.75 v1(3.23,21.75) ; v1(5.575,8.45) 5.628,8.503 5.628,8.803 7.579,10.754 11.179,10.754 11.896,11.471 11.896,12.212 12.534,12.85 13.693,12.85 14.237,13.394 18.794,13.394 v1(19.2,13.8)
ATTEN_2: JM2.48 U1.M6 | length 39.1
  Top Layer w0.127: v1(1.07,24.25) 2.15,23.17 2.15,12.325 4.75,9.725 v1(4.75,9.25) ; v1(21.6,13.8) U1.M6@21.962,14.162
  Bottom Layer w0.127: v1(1.07,24.25) JM2.48@2.15,24.25 ; v1(4.75,9.25) 6.775,11.275 10.982,11.275 11.388,11.681 11.388,12.422 12.047,13.082 12.047,13.668 12.585,14.206 12.963,14.206 13.2,14.443 13.2,14.757 13.437,14.994 20.963,14.994 21.206,14.751 21.206,14.194 v1(21.6,13.8)
ATTEN_3: JM2.56 U1.P1 | length 60.5
  Top Layer w0.127: v1(1.07,26.25) 0.371,25.551 0.371,8.179 1.78,6.77 4.527,6.77 7.413,3.884 7.413,1.862 8.895,0.38 11.008,0.38 12.399,1.771 25.655,1.771 27.441,3.557 27.441,5.159 23.6,9 U1.P1@23.6,10.2
  Bottom Layer w0.127: v1(1.07,26.25) JM2.56@2.15,26.25
ATTEN_4: JM2.64 U1.R3 | length 72.1
  Top Layer w0.127: U1.R3@24.438,11.762 v1(24.8,11.4)
  Bottom Layer w0.127: JM2.64@2.15,28.25 1.025,28.25 0.625,27.85 0.625,9.6 3.2,7.025 4.625,7.025 7.517,4.133 7.517,2.115 8.207,1.425 8.465,1.167 11.067,1.167 11.875,1.975 11.875,2.875 12.641,3.641 26.614,3.641 26.621,3.647 27.428,3.647 28.142,2.933 28.142,1.84 28.815,1.167 30.783,1.167 31.571,1.955 31.571,4.389 25.766,10.194 25.45,10.194 25.179,10.464 25.179,11.021 v1(24.8,11.4)